# Altium PCB lamp_controller.PcbDoc (part 2 of 3)
Units mm, origin at the board's own origin, x right, y up, seen from the top; angles counter-clockwise.
Board outline 70 x 65 mm, 4 copper layers (Top Layer, Signal Layer 1, Signal Layer 2, Bottom Layer), stack 1.518 mm thick; 211 components, 110 nets, 730 pads, 417 vias.
Unrouted connection lines stored in the file: 21.
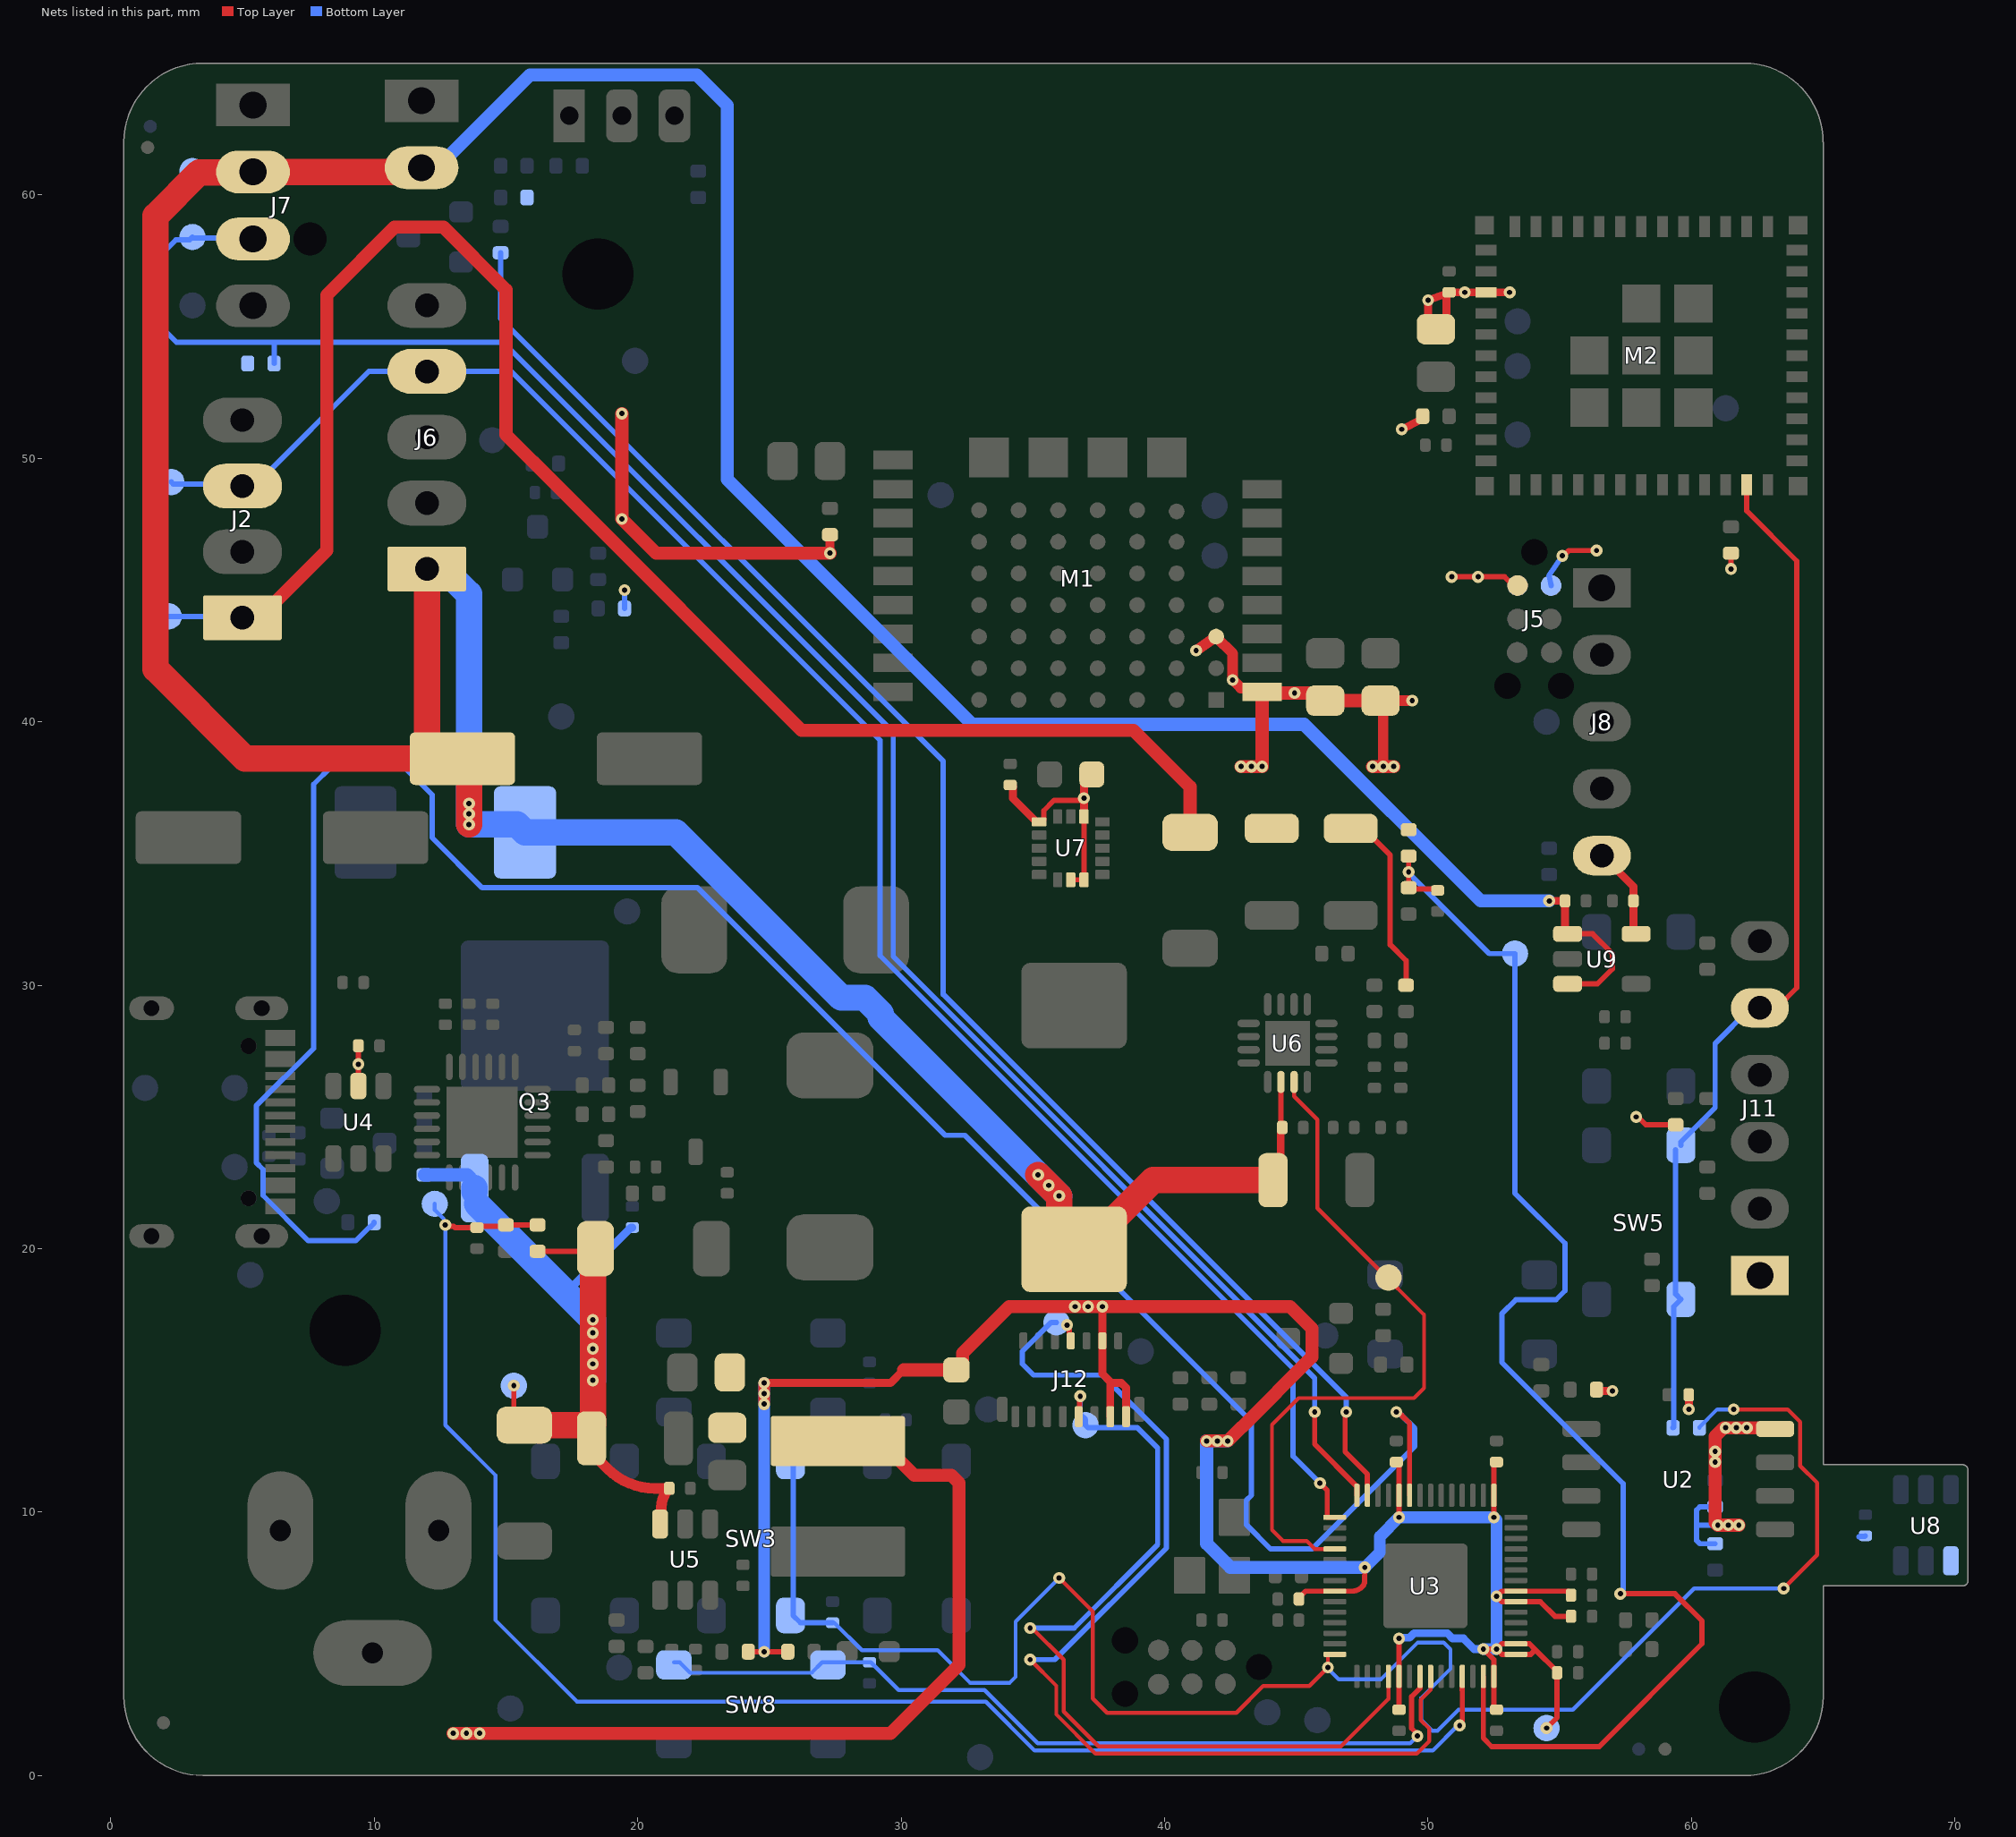
[diagram p4: the nets of this part, all layers, seen from the top]

## Part data (continued)
C22 C29 C31 C32: "10 µF, 100 V, 1210 Ceramic capacitor", Capacitance="10 µF", Case Code (Imperial)=1210, Case Code (Metric)=3225, Manufacturer=Murata, Max Operating Temperature=125°C, Min Operating Temperature=-55°C, Supplier Part Number 1=490-16266-1-ND, Tolerance=10%, Voltage Rating=100V, Case/Package=1210, ComponentLink1Description=http://search.murata.co.jp/Ceramy/image/img/A01X/G101/ENG/GRM32EC72A106KE05-01.pdf?src-supplier=Digi-Key, ComponentLink1URL=http://search.murata.co.jp/Ceramy/image/img/A01X/G101/ENG/GRM32EC72A106KE05-01.pdf?src-supplier=Digi-Key, Manufacturer Part Number=GRM32EC72A106KE05L, Mount="Surface Mount", Packaging="Tape and Reel", Pricing 1="1=1.38, 10=1.087, 100=0.8151, 500=0.61582 (USD)", Stock 1=4827, Supplier 1=Digi-Key
C23 C30: "470 nF, 50 V, X5R, 0402 Chip capacitor", Capacitance=470nF, Dielectric=X5R, Manufacturer=Murata, Package=0402, Supplier Part Number 1=490-16354-1-ND, Tolerance=10%, Voltage Rating (DC)=50V, Category="Ceramic Capacitors", ComponentLink1Description=http://search.murata.co.jp/Ceramy/image/img/A01X/G101/ENG/GRM155R61H474KE11-01.pdf?src-supplier=Digi-Key, ComponentLink1URL=http://search.murata.co.jp/Ceramy/image/img/A01X/G101/ENG/GRM155R61H474KE11-01.pdf?src-supplier=Digi-Key, ComponentLink2Description=https://search.murata.co.jp/Ceramy/image/img/A01X/G101/ENG/GRM155R61H474KE11-01.pdf?src-supplier=Digi-Key, ComponentLink2URL=https://search.murata.co.jp/Ceramy/image/img/A01X/G101/ENG/GRM155R61H474KE11-01.pdf?src-supplier=Digi-Key, house_part_number=C-470nF-0402-002, Length=1mm, Manufacturer Part Number=GRM155R61H474KE11D, Pricing 1="1=0.20000, 10=0.14600, 50=0.08260, 100=0.06840, 500=0.04798, 1000=0.03972, 2500=0.03696, 5000=0.03382 (USD)", RoHS=Yes, RoHS Compliant=Yes, Supplier 1=Digi-Key, Thickness=500um, Width=500um
C25 C26 C39 C40 C41 C48: "22 μF, 25 V, X5R, 0805 Chip capacitor", Capacitor Type=Ceramic, Case/Package=0805, Manufacturer=Murata, Max Operating Temperature=85°C, Min Operating Temperature=-55°C, Package Shape=Rectangular, Rated DC Voltage (URdc)=25V, Supplier Part Number 1=490-12389-1-ND, Temperature Characteristics Code=X5R, Tolerance  (fill in as +-)=20%, Category="Ceramic Capacitors", ComponentLink1Description=https://datasheet.ciiva.com:443/pdfs/VipMasterIC/IC/MURE/MURE-S-A0004410517/MURE-S-A0004413512-1.pdf?src-supplier=IHS+Markit, ComponentLink1URL=https://datasheet.ciiva.com:443/pdfs/VipMasterIC/IC/MURE/MURE-S-A0004410517/MURE-S-A0004413512-1.pdf?src-supplier=IHS+Markit, ComponentLink2Description=http://search.murata.co.jp/Ceramy/image/img/A01X/G101/ENG/GRT21BR61E226ME13-01.pdf?src-supplier=Digi-Key, ComponentLink2URL=http://search.murata.co.jp/Ceramy/image/img/A01X/G101/ENG/GRT21BR61E226ME13-01.pdf?src-supplier=Digi-Key, Dielectric Material=Ceramic, JESD-609 Code=e3, Manufacturer Part Number=GRT21BR61E226ME13L, Mounting Technology="Surface Mount", Multilayer=Yes, Packaging="Tape and Reel", Pins=2, Pricing 1="1=0.48, 10=0.338, 50=0.2558, 100=0.2228, 500=0.16508, 1000=0.14031 (USD)", Reach SVHC Compliant=Yes, Reference Standard=AEC-Q200, RoHS=Yes, RoHS Compliant=Yes, Stock 1=1983731, Supplier 1=Digi-Key, Terminal Finish=Nickel, Termination=Wraparound, Tolerance (fill in as +-)=20%
C27 C28 C59 C60: "30 pF, 50 V, C0G, 0402 Chip capacitor", Capacitor Type=Ceramic, Case/Package=0402, Manufacturer=Murata, Max Operating Temperature=125°C, Min Operating Temperature=-55°C, Package Shape=Rectangular, Rated DC Voltage (URdc)=50V, Supplier Part Number 1=C2987943, Temperature Characteristics Code=C0G, Tolerance  (fill in as +-)=1%, Category="Ceramic Capacitors", ComponentLink1Description=https://psearch.en.murata.com:443/capacitor/product/GCM1555C1H300FA16%23.pdf?src-supplier=IHS+Markit, ComponentLink1URL=https://psearch.en.murata.com:443/capacitor/product/GCM1555C1H300FA16%23.pdf?src-supplier=IHS+Markit, Dielectric Material=Ceramic, Manufacturer Part Number=GCM1555C1H300FA16D, Mounting Technology="Surface Mount", Multilayer=Yes, Packaging="Tape and Reel", Pins=2, Pricing 1="20=0.0242, 200=0.0198, 600=0.0174, 2000=0.0159, 10000=0.0143, 20000=0.0137 (USD)", Reach SVHC Compliant=Yes, Reference Standard=AEC-Q200, RoHS=Yes, RoHS Compliant=Yes, Stock 1=20680, Supplier 1=LCSC, Termination=Wraparound, Tolerance (fill in as +-)=1%
C34 C51: "10 µF, 25 V, X5R, 0603 Chip capacitor", Case Code (Imperial)=0603, Case Code (Metric)=1608, Manufacturer=Samsung, Max Operating Temperature=85°C, Min Operating Temperature=-55°C, Tolerance=20%, Voltage Rating=25V, Case/Package=0603, Category="Ceramic Capacitors", ComponentLink1Description=https://datasheet.ciiva.com/25766/cl10a106ma8nrnc-25766562.pdf?src-supplier=Digikey, ComponentLink1URL=https://datasheet.ciiva.com/25766/cl10a106ma8nrnc-25766562.pdf?src-supplier=Digikey, Height=900um, house_part_number=C-10uF-0603-002, Lead Free="Lead Free", Manufacturer Part Number=CL10A106MA8NRNC, Material=4241ConductorMaterial, Mounting Technology="Surface Mount", Packaging="Cut Tape", Pricing="4000=0.0511, 8000=0.046, 12000=0.0434, 28000=0.0413, 100000=0.0356 (USD)", RoHS=Yes, RoHS Compliant=Yes, Series=CL, Stock=632000, Supplier 1="Arrow Electronics", Supplier Part Number 1=CL10A106MA8NRNC
C37: "47 nF, 50 V, X7R, 0402 Chip capacitor", Capacitance=47nF, Case Code (Imperial)=0402, Manufacturer=Murata, Supplier Part Number 1=490-10702-1-ND, Voltage Rating=50V, Category="Ceramic Capacitors", ComponentLink1Description=https://datasheet.ciiva.com:443/pdfs/VipMasterIC/IC/MURE/MURE-S-A0004362469/MURE-S-A0004364796-1.pdf?src-supplier=IHS+Markit, ComponentLink1URL=https://datasheet.ciiva.com:443/pdfs/VipMasterIC/IC/MURE/MURE-S-A0004362469/MURE-S-A0004364796-1.pdf?src-supplier=IHS+Markit, ComponentLink2Description=http://www.mouser.com/ds/2/281/c02e-2905.pdf?src-supplier=Mouser, ComponentLink2URL=http://www.mouser.com/ds/2/281/c02e-2905.pdf?src-supplier=Mouser, ComponentLink3Description=http://search.murata.co.jp/Ceramy/image/img/A01X/G101/ENG/GRM155R71H473KE14-01.pdf?src-supplier=Digi-Key, ComponentLink3URL=http://search.murata.co.jp/Ceramy/image/img/A01X/G101/ENG/GRM155R71H473KE14-01.pdf?src-supplier=Digi-Key, house_part_number=C-47nF-0402-001, Manufacturer Part Number=GRM155R71H473KE14D, Pricing 1="1=0.10000, 10=0.03000, 50=0.01660, 100=0.01350, 500=0.00966, 1000=0.00759, 2500=0.00690, 5000=0.00635 (USD)", RoHS=Yes, Stock 1=874627, Supplier 1=Digi-Key
C38: "1 nF, 50 V, X7R, 0402 Chip capacitor", Capacitance=1nF, Case Code (Imperial)=0402, Case Code (Metric)=1005, Dielectric Material=Ceramic, Insulation Resistance=100GR, Manufacturer=Yageo, Max Operating Temperature=125°C, Min Operating Temperature=-55°C, Supplier Part Number 1=311-1036-1-ND, Tolerance=10%, Voltage Rating=50V, Case/Package=0402, ComponentLink1Description=http://www.farnell.com/datasheets/1489800.pdf?src-supplier=Element14, ComponentLink1URL=http://www.farnell.com/datasheets/1489800.pdf?src-supplier=Element14, ComponentLink2Description=http://www.yageo.com/documents/recent/UPY-GPHC_X7R_6.3V-to-50V_18.pdf?src-supplier=Digi-Key, ComponentLink2URL=http://www.yageo.com/documents/recent/UPY-GPHC_X7R_6.3V-to-50V_18.pdf?src-supplier=Digi-Key, ComponentLink3Description=http://www.mouser.com/ds/2/447/Yageo_UPY-GP_NP0_16V-to-50V_9-358835.pdf?src-supplier=Mouser, ComponentLink3URL=http://www.mouser.com/ds/2/447/Yageo_UPY-GP_NP0_16V-to-50V_9-358835.pdf?src-supplier=Mouser, ComponentLink4Description=https://www.verical.com/server-webapp/html/getDatasheet?partID=403474&src-supplier=Verical, ComponentLink4URL=https://www.verical.com/server-webapp/html/getDatasheet?partID=403474&src-supplier=Verical, ComponentLink5Description=http://www.yageo.com/documents/recent/UPY-GPHC_X7R_6.3V-to-50V_8.pdf?src-supplier=Avnet+Europe, ComponentLink5URL=http://www.yageo.com/documents/recent/UPY-GPHC_X7R_6.3V-to-50V_8.pdf?src-supplier=Avnet+Europe, Halogen Free="Halogen Free", Lead Free="Lead Free", Length=0.039inch, Manufacturer Part Number=CC0402KRX7R9BB102, Mount="Surface Mount", Packaging="Tape and Reel", Pricing 1="1=0.1, 10=0.019, 50=0.0104, 100=0.0085, 500=0.006, 1000=0.0048, 2500=0.0043, 5000=0.004 (USD)", RoHS Compliant=Yes, Series=CC, Stock 1=1726463, Supplier 1=Digi-Key, Thickness=0.022inch, Width=0.02inch
C55 C56: "220 μF, 35 V, 8mm Electrolytic capacitor", Capacitance=220μF, Capacitor Type=Aluminium, Case/Package=3333, Leakage Current=77uA, Manufacturer=Nichicon, Max Operating Temperature=105°C, Min Operating Temperature=-55°C, Package Shape=Cylindrical, Package Style=SMTMeter, Rated DC Voltage (URdc)=35V, Ripple Current=225mA, Supplier Part Number 1=C251000, Tolerance  (fill in as +-)=20%, Category="Aluminum Electrolytic Capacitors", ComponentLink1Description=https://datasheet.ciiva.com:443/pdfs/VipMasterIC/IC/NICH/NICH-S-A0009240538/NICH-S-A0009240538-1.pdf?src-supplier=IHS+Markit, ComponentLink1URL=https://datasheet.ciiva.com:443/pdfs/VipMasterIC/IC/NICH/NICH-S-A0009240538/NICH-S-A0009240538-1.pdf?src-supplier=IHS+Markit, ComponentLink2Description=https://datasheet.ciiva.com/11778/0900766b80fa39e7-11778272.pdf?src-supplier=Rs, ComponentLink2URL=https://datasheet.ciiva.com/11778/0900766b80fa39e7-11778272.pdf?src-supplier=Rs, ComponentLink3Description=https://datasheet.ciiva.com/97/e-ud-97948.pdf?src-supplier=Digikey, ComponentLink3URL=https://datasheet.ciiva.com/97/e-ud-97948.pdf?src-supplier=Digikey, ComponentLink4Description=https://datasheet.ciiva.com/97/e-ud-97949.pdf?src-supplier=Digikey, ComponentLink4URL=https://datasheet.ciiva.com/97/e-ud-97949.pdf?src-supplier=Digikey, ComponentLink5Description=https://datasheet.ciiva.com/97/e-ud-97950.pdf?src-supplier=Digikey, ComponentLink5URL=https://datasheet.ciiva.com/97/e-ud-97950.pdf?src-supplier=Digikey, ComponentLink6Description=https://datasheet.ciiva.com/15199/getdatasheetpartid-317116-15199222.pdf?src-supplier=Verical, ComponentLink6URL=https://datasheet.ciiva.com/15199/getdatasheetpartid-317116-15199222.pdf?src-supplier=Verical, Dielectric Material=Aluminium, Height=10mm, JESD-609 Code=e6, Length=8.9mm, Manufacturer Part Number=UUD1V221MNL1GS, Mounting Technology="Surface Mount", Packaging="Tape and Reel", Pins=2, Polarity=Polarized, Pricing 1="5=0.2357, 50=0.1846, 150=0.1627, 500=0.1284, 2500=0.1162, 5000=0.1089 (USD)", Reach SVHC Compliant=No, RoHS=Yes, RoHS Compliant=Yes, Stock 1=28395, Supplier 1=LCSC, Tan Delta=0.14, Terminal Finish=Tin, Termination=Flat, Tolerance (fill in as +-)=20%, Width=8.3mm
D1 D4 D5: "Schottky diode, 100V, 5A, SOD-128", Current=5A, Forward Voltage=760mV, Manufacturer=STMicroelectronics, Max Operating Temperature=175°C, Max Reverse Current=3.5uA, Min Operating Temperature=-40°C, Non-rep Pk Forward Current-Max=130A, Package=SOD-128, Package Body Material=Plastic, Package Shape=Rectangular, Package Style="SMALL OUTLINEMeter", Rep Pk Reverse Voltage-Max=100V, Supplier Part Number 1=497-17312-1-ND, Application(s)="HIGH VOLTAGE POWER", Category="Rectifier Diodes", ComponentLink1Description=https://datasheet.ciiva.com:443/pdfs/VipMasterIC/IC/SGST/SGST-S-A0002952656/SGST-S-A0002952656-1.pdf?src-supplier=IHS+Markit, ComponentLink1URL=https://datasheet.ciiva.com:443/pdfs/VipMasterIC/IC/SGST/SGST-S-A0002952656/SGST-S-A0002952656-1.pdf?src-supplier=IHS+Markit, ComponentLink2Description=http://www.farnell.com/datasheets/2816111.pdf?src-supplier=Farnell, ComponentLink2URL=http://www.farnell.com/datasheets/2816111.pdf?src-supplier=Farnell, ComponentLink3Description=http://www.st.com/content/ccc/resource/technical/document/datasheet/group3/a7/aa/f5/d0/a8/25/41/d5/DM00303942/files/DM00303942.pdf/jcr:content/translations/en.DM00303942.pdf?src-supplier=Digikey, ComponentLink3URL=http://www.st.com/content/ccc/resource/technical/document/datasheet/group3/a7/aa/f5/d0/a8/25/41/d5/DM00303942/files/DM00303942.pdf/jcr:content/translations/en.DM00303942.pdf?src-supplier=Digikey, ComponentLink4Description=http://www.farnell.com/datasheets/2816111.pdf?src-supplier=Newark, ComponentLink4URL=http://www.farnell.com/datasheets/2816111.pdf?src-supplier=Newark, ComponentLink5Description=https://datasheet.octopart.com/STPS5H100AFY-STMicroelectronics-datasheet-97040641.pdf?src-supplier=Future+Electronics, ComponentLink5URL=https://datasheet.octopart.com/STPS5H100AFY-STMicroelectronics-datasheet-97040641.pdf?src-supplier=Future+Electronics, Diode Element Material=SILICON, Diode Type=RECTIFIER, JESD-30 Code=R-PDSO-F2, Manufacturer Part Number=STPS5H100AFY, Number of Elements=1, Number of Phases=1, Pins=2, Pricing 1="1=0.78, 10=0.526, 100=0.4102, 500=0.31624, 1000=0.28596 (USD)", Reach SVHC Compliant=No, Reference Standard=AEC-Q101, RoHS=Yes, RoHS Compliant=Yes, Stock 1=55724, Supplier 1=Digikey, Surface Mount=Yes, Technology=SCHOTTKY, Terminal Form=Flat, Terminal Position=DUAL
D2 D3: "TVS diode, Trans Voltage Suppressor Diode, 1500W, 33V V(RWM), Bidirectional, 1 Element, Silicon", Breakdown Voltage-Nom=38.7V, Clamping Voltage-Max=53.3V, Manufacturer=Diodes, Max Breakdown Voltage=40.6V, Max Operating Temperature=150°C, Max Power Dissipation=5W, Min Breakdown Voltage=36.7V, Min Operating Temperature=-55°C, Non-rep Peak Rev Power Dis-Max=1.5kW, Package=SMC, Package Body Material=Plastic, Package Shape=Rectangular, Package Style="SMALL OUTLINEMeter", Peak Reflow Temperature (Cel)=260°C, Rep Pk Reverse Voltage-Max=33V, Supplier Part Number 1=C135163, Time @ Peak Reflow Temperature-Max (s)=40s, Additional Feature="EXCELLENT CLAMPING CAPABILITY", Category="TVS Diodes", ComponentLink1Description=https://datasheet.ciiva.com:443/pdfs/VipMasterIC/IC/DIOD/DIOD-S-A0000285740/DIOD-S-A0000285740-1.pdf?src-supplier=IHS+Markit, ComponentLink1URL=https://datasheet.ciiva.com:443/pdfs/VipMasterIC/IC/DIOD/DIOD-S-A0000285740/DIOD-S-A0000285740-1.pdf?src-supplier=IHS+Markit, ComponentLink2Description=http://www.mouser.com/ds/2/115/ds19003-73575.pdf?src-supplier=Mouser, ComponentLink2URL=http://www.mouser.com/ds/2/115/ds19003-73575.pdf?src-supplier=Mouser, ComponentLink3Description=http://components.arrow.com/part/dataview/41510117S9851208N2867?src-supplier=Arrow+Electronics, ComponentLink3URL=http://components.arrow.com/part/dataview/41510117S9851208N2867?src-supplier=Arrow+Electronics, ComponentLink4Description=https://datasheet.octopart.com/SMCJ33CA-13-F-Diodes-Inc.-datasheet-6912.pdf?src-supplier=Digikey, ComponentLink4URL=https://datasheet.octopart.com/SMCJ33CA-13-F-Diodes-Inc.-datasheet-6912.pdf?src-supplier=Digikey, ComponentLink5Description=http://www.diodes.com//datasheets/ds19003.pdf?src-supplier=Avnet, ComponentLink5URL=http://www.diodes.com//datasheets/ds19003.pdf?src-supplier=Avnet, ComponentLink6Description=http://www.diodes.com///datasheets/ds19003.pdf?src-supplier=Avnet, ComponentLink6URL=http://www.diodes.com///datasheets/ds19003.pdf?src-supplier=Avnet, ComponentLink7Description=http://www.diodes.com/_files/datasheets/ds19003.pdf?src-supplier=Future+Electronics, ComponentLink7URL=http://www.diodes.com/_files/datasheets/ds19003.pdf?src-supplier=Future+Electronics, ComponentLink8Description=https://datasheet.octopart.com/SMCJ33CA-13-F-Diodes-Inc.-datasheet-130126529.pdf?src-supplier=TME, ComponentLink8URL=https://datasheet.octopart.com/SMCJ33CA-13-F-Diodes-Inc.-datasheet-130126529.pdf?src-supplier=TME, Diode Element Material=SILICON, Diode Type="TRANS VOLTAGE SUPPRESSOR", JESD-30 Code=R-PDSO-C2, JESD-609 Code=e3, Manufacturer Part Number=SMCJ33CA-13-F, Moisture Sensitivity Level=1, Number of Elements=1, Pins=2, Polarity=Bidirectional, Pricing 1="5=0.2921, 50=0.2375, 150=0.2141, 500=0.185, 3000=0.172, 6000=0.1642 (USD)", Qualification Status="Not Qualified", Reach SVHC Compliant=No, RoHS=Yes, RoHS Compliant=Yes, Stock 1=2995, Supplier 1=LCSC, Surface Mount=Yes, Technology=AVALANCHE, Terminal Finish=Tin, Terminal Form="C BEND", Terminal Position=DUAL
FID1 FID2 FID3 FID4 FID5 FID6: library part fiducial-0.5, "0.5mm round fiducial", Package=0.5mm
Hole1 Hole2 Hole3: library part m2.5_hole_no_pad, "M2.5 clearance hole", pickable=no
J1: library part USB4105-GF-A, "USB-C 2.0 Female Connector", Alternate Manufacturer="Korean HROparts Elec", Flammability Rating="UL94 V-0", Insulation Color=Black, Manufacturer="Global Connector Technology", Manufacturer Part Number=TYPE-C-31-M-12, Max Operating Temperature=85°C, Min Operating Temperature=-40°C, Supplier Part Number 1=3588205, Alternate Part Number=USB4105-GF-A, Category="USB Connectors", ComponentLink1Description=https://gct.co/files/drawings/usb4105.pdf?src-supplier=Digi-Key, ComponentLink1URL=https://gct.co/files/drawings/usb4105.pdf?src-supplier=Digi-Key, Connector Type=USB, Contact Plating=Gold, Gender=Receptacle, house_part_number=USB_C_2.0_M12, Mating Cycles=10000, Mounting Technology="Surface Mount,Through Hole,Horizontal", Number of Ports=1, Pricing="1=1, 20=3.07, 60=3.02, 160=2.64, 400=2.63 (EUR)", RoHS=No, Series=USB4105, Shielding=Shielded, Stock=1499, Supplier 1=Farnell, Termination=Solder
J2: library part B04B-XASK-1, "4-pin JST XA header, 2.5mm pitch, through-hole", Manufacturer=JST, Supplier Part Number 1=455-B04B-XASK-1-ND, Category=Connectors, ComponentLink1Description=https://datasheet.ciiva.com/719/exa1-719638.pdf?src-supplier=Digi-Key, ComponentLink1URL=https://datasheet.ciiva.com/719/exa1-719638.pdf?src-supplier=Digi-Key, Manufacturer Part Number=B04B-XASK-1, Pricing 1="1=0.32, 10=0.269, 100=0.2093, 500=0.17938, 1000=0.14948, 5000=0.12812, 10000=0.11958 (USD)", RoHS=No, Stock 1=159148, Supplier 1=Digi-Key
J3: library part DC-005-A200, "5.5 mm x 2 mm, 30V, 3A Barrel jack", Manufacturer=Xunpu, Supplier Part Number 1=C720557, Manufacturer Part Number=DC-005-A200, Pricing 1="5=0.1077, 50=0.0871, 150=0.0764, 500=0.0636, 2500=0.0606, 5000=0.0585 (USD)", RoHS=No, Stock 1=33970, Supplier 1=LCSC
J4 J5: library part debug_header, "Tag-connect 6-pin pogo header", pickable=no
J6: library part B05B-XASK-1(LF)(SN), "5-Pin JST XA header, 2.5mm pitch, through-hole", Manufacturer=JST, Supplier Part Number 1=C265079, Category="Headers and Wire Housings", ComponentLink1Description=https://datasheet.ciiva.com/29316/741366-da-01-en-stiftleise-5-pol-rm-2-5mm-29316939.pdf?src-supplier=Conrad, ComponentLink1URL=https://datasheet.ciiva.com/29316/741366-da-01-en-stiftleise-5-pol-rm-2-5mm-29316939.pdf?src-supplier=Conrad, ComponentLink2Description=https://datasheet.ciiva.com/16417/exa1-16417502.pdf?src-supplier=Future+Electronics, ComponentLink2URL=https://datasheet.ciiva.com/16417/exa1-16417502.pdf?src-supplier=Future+Electronics, ComponentLink3Description=https://datasheet.ciiva.com/726/exa1-726107.pdf?src-supplier=Digikey, ComponentLink3URL=https://datasheet.ciiva.com/726/exa1-726107.pdf?src-supplier=Digikey, Manufacturer Part Number=B05B-XASK-1(LF)(SN), Pricing 1="5=0.0789, 50=0.0632, 150=0.0545, 400=0.0493, 2400=0.0448, 4800=0.0423 (USD)", RoHS=Yes, Stock 1=386434, Supplier 1=LCSC
J7: library part 470531000, "4-pin PC Fan connector", Color=White, Manufacturer=Molex, Manufacturer Part Number=47053-1000, Package Quantity=2000, Category="Headers and Wire Housings", ComponentLink1Description=https://datasheet.ciiva.com/6839/022112026-sd-6839692.pdf?src-supplier=Digi-Key, ComponentLink1URL=https://datasheet.ciiva.com/6839/022112026-sd-6839692.pdf?src-supplier=Digi-Key, ComponentLink2Description=https://datasheet.ciiva.com/10090/022232051-sd-10090167.pdf?src-supplier=Avnet, ComponentLink2URL=https://datasheet.ciiva.com/10090/022232051-sd-10090167.pdf?src-supplier=Avnet, Connector Type="Male Pin", Contact Mating Length=0.318inch, Contact Plating=Gold, Fastening Type=Friction, Gender=Male, Mount="Through Hole", Number of Contacts=4, Number of Positions=4, Number of Rows=1, Packaging=Bulk, Pitch=0.1inch, RoHS=Yes, Termination=Solder
J8: library part PPTC051LGBN-RC, "5-Pin angled female header with mmWave radar board.", Manufacturer=Sullins, Manufacturer Series=PP, Rated Current (Signal)=3A, Supplier Part Number 1=S5441-ND, Body Breadth=0.094inch, Body Length=0.52inch, Category=Connectors, ComponentLink1Description=https://datasheet.ciiva.com:443/pdfs/VipMasterIC/IC/SUCS/SUCSS00270/SUCSS00270-1.pdf?src-supplier=IHS+Markit, ComponentLink1URL=https://datasheet.ciiva.com:443/pdfs/VipMasterIC/IC/SUCS/SUCSS00270/SUCSS00270-1.pdf?src-supplier=IHS+Markit, ComponentLink2Description=https://s3.amazonaws.com/catalogspreads-pdf/PAGE114-115%20.100%20FEMALE%20HDR.pdf?src-supplier=Digikey, ComponentLink2URL=https://s3.amazonaws.com/catalogspreads-pdf/PAGE114-115%20.100%20FEMALE%20HDR.pdf?src-supplier=Digikey, ComponentLink3Description=https://datasheet.octopart.com/PPTC051LGBN-RC-Sullins-datasheet-41308905.pdf?src-supplier=Future+Electronics, ComponentLink3URL=https://datasheet.octopart.com/PPTC051LGBN-RC-Sullins-datasheet-41308905.pdf?src-supplier=Future+Electronics, ComponentLink4Description=http://www.sullinscorp.com/catalogs/78_Page80-81_HEADER_.100_2.54mm_FEMALE.pdf?src-supplier=Future+Electronics, ComponentLink4URL=http://www.sullinscorp.com/catalogs/78_Page80-81_HEADER_.100_2.54mm_FEMALE.pdf?src-supplier=Future+Electronics, Connector Type="BOARD CONNECTOR", Contact Finish - Mating=SN, Contact Finish - Termination=TIN, Contact Gender=Female, Contact Material=Bronze, Contact Pattern=RECTANGULAR, Contact Style="SQ PIN-SKT", Insulation Material=Polyester, Manufacturer Part Number=PPTC051LGBN-RC, Mating Contact Pitch=0.1inch, Mounting Option 1=LOCKING, Mounting Style="RIGHT ANGLE", Mounting Technology=Board, Number Of Connectors=1, Number of Contacts=5, Number Of PCB Rows=1, Number of Rows Loaded=1, PCB Contact Pattern=RECTANGULAR, Polarization Key="POLARIZED HOUSING", Pricing 1="1=0.56, 10=0.453, 80=0.37638, 440=0.32355, 1000=0.30082, 5000=0.2899 (USD)", Reach SVHC Compliant=Yes, Reference Standard=UL, Reliability=COMMERCIAL, RoHS=Yes, RoHS Compliant=Yes, Stock 1=3109, Supplier 1=Digikey, Terminal Length=0.125inch, Terminal Pitch=2.54mm, Termination=Solder
J9: library part B3B-PH-K-S(LF)(SN), "3-Pin JST PH header, 2mm pitch, Through Hole", Color=Natural, Contact Resistance=20mR, Current Rating=2A, Flammability Rating="UL94 V-0", Housing Color=White, Insulation Resistance=1MR, Manufacturer=JST, Max Operating Temperature=85°C, Max Voltage Rating (AC)=100V, Min Operating Temperature=-25°C, Supplier Part Number=37K9946, Category="Headers and Wire Housings", ComponentLink1Description=https://datasheet.ciiva.com/6747/80560-6747392.pdf, ComponentLink1URL=https://datasheet.ciiva.com/6747/80560-6747392.pdf, ComponentLink2Description=https://datasheet.ciiva.com/11746/0900766b8082f551-11746676.pdf, ComponentLink2URL=https://datasheet.ciiva.com/11746/0900766b8082f551-11746676.pdf, ComponentLink3Description=https://datasheet.ciiva.com/8052/80560-8052022.pdf, ComponentLink3URL=https://datasheet.ciiva.com/8052/80560-8052022.pdf, ComponentLink4Description=https://datasheet.ciiva.com/712/eph-712442.pdf, ComponentLink4URL=https://datasheet.ciiva.com/712/eph-712442.pdf, ComponentLink5Description=https://datasheet.ciiva.com/16422/b2b-ph-k-slfsn-16422715.pdf, ComponentLink5URL=https://datasheet.ciiva.com/16422/b2b-ph-k-slfsn-16422715.pdf, ComponentLink6Description=https://datasheet.ciiva.com/6747/80560-6747401.pdf?src-supplier=Newark, ComponentLink6URL=https://datasheet.ciiva.com/6747/80560-6747401.pdf?src-supplier=Newark, ComponentLink7Description=https://datasheet.ciiva.com/11746/0900766b80826550-11746939.pdf?src-supplier=Rs, ComponentLink7URL=https://datasheet.ciiva.com/11746/0900766b80826550-11746939.pdf?src-supplier=Rs, ComponentLink8Description=https://datasheet.ciiva.com/16200/eph-16200926.pdf?src-supplier=Future+Electronics, ComponentLink8URL=https://datasheet.ciiva.com/16200/eph-16200926.pdf?src-supplier=Future+Electronics, ComponentLink9Description=https://datasheet.ciiva.com/26894/getdatasheetpartid-448114-26894774.pdf?src-supplier=Verical, ComponentLink9URL=https://datasheet.ciiva.com/26894/getdatasheetpartid-448114-26894774.pdf?src-supplier=Verical, ComponentLink10Description=https://datasheet.ciiva.com/26924/getdatasheetpartid-651387-26924028.pdf?src-supplier=Verical, ComponentLink10URL=https://datasheet.ciiva.com/26924/getdatasheetpartid-651387-26924028.pdf?src-supplier=Verical, ComponentLink11Description=https://datasheet.ciiva.com/712/eph-712455.pdf?src-supplier=Digi-Key, ComponentLink11URL=https://datasheet.ciiva.com/712/eph-712455.pdf?src-supplier=Digi-Key, ComponentLink12Description=https://datasheet.ciiva.com/43491/741202-da-01-en-stiftleiste-gerade-3-pol-rm2-0-43491962.pdf?src-supplier=Conrad, ComponentLink12URL=https://datasheet.ciiva.com/43491/741202-da-01-en-stiftleiste-gerade-3-pol-rm2-0-43491962.pdf?src-supplier=Conrad, Connector Type=Header, Contact Finish - Mating=TIN, Contact Material=Brass, Contact Mating Length=0.13inch, Contact Plating=Tin,Copper, Contact Post Length=0.134inch, Contact Shape=Square, Contact Type="Male Pin", Depth=4.5mm, Fastening Type=Detent, Gender=Male, Height=9.4mm, Housing Material=Polyamide, Insulation Color=Natural, Insulation Height=0.236inch, Insulation Material=Nylon, Lead Free="Lead Free", Lead Pitch=2mm, Length=7.9mm, Manufacturer Part Number=B3B-PH-K-S(LF)(SN), Mated Stacking Heights=8mm, Max Current Rating=2A, Max Voltage Rating (DC)=100V, Mounting Technology="Through Hole", Number of Contacts=3, Number of Poles=3, Number of Positions=3, Number of Rows=1, Orientation=Straight, Packaging=Bulk, Pins=3, Pitch=2mm, Pricing="1=0.03800, 10=0.03800, 100=0.03800, 500=0.03800, 1000=0.03800, 5000=0.03800, 10000=0.03800 (USD)", Reach SVHC Compliant=Yes, RoHS=Yes, Series=PH, Stock=955386, Supplier=Newark, Termination=Press-Fit, Voltage Rating=100V, Voltage Rating (AC)=100V, Width=4.5mm, Working Voltage=100V